# KiCad board ADHW.kicad_pcb (continued)
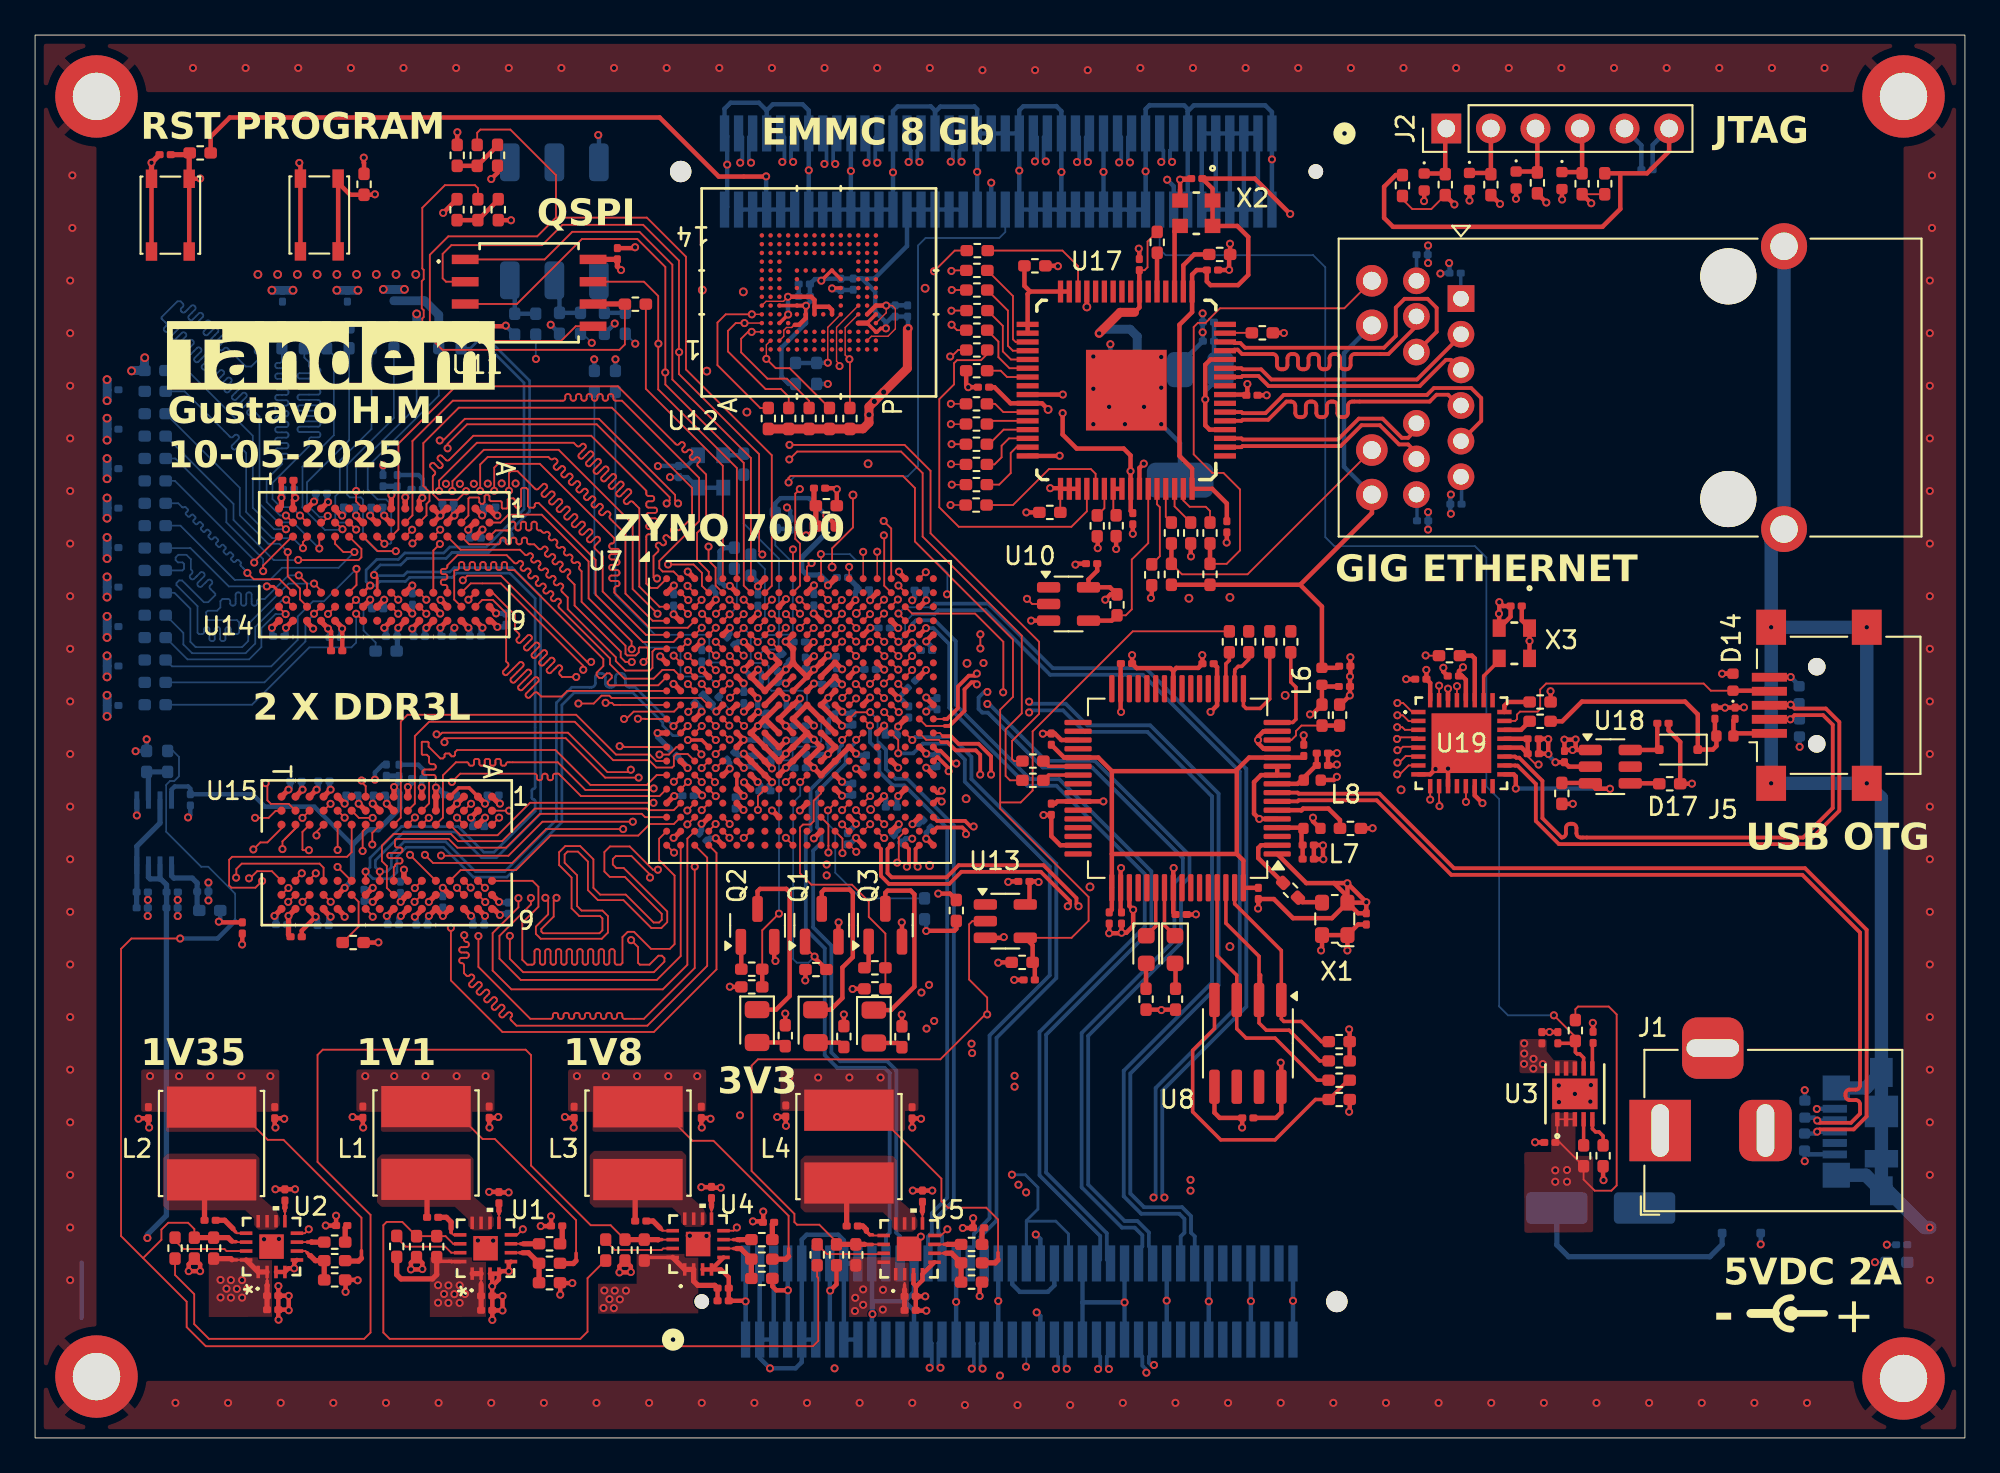
[diagram p0: board, top side]
## Routing (per net, layer and track width the routed paths; a pad name or vN(x,y) marks a point on that pad's centre or on a via; arc(x,y) is an arc through that point) (continued)
(no net):
  vias: v1(55,3.56)
/1GB DDR3 Module/DDR_ZQ1: length 3.9
  Top w0.102: U14.L8 v1(18.29,47.79)
  Bottom w0.102: R123.1 19.41,45.36 18.72,46.05 18.72,47.36 v1(18.29,47.79)
/1GB DDR3 Module/DDR_ZQ2: length 3.3
  Top w0.102: U15.L8 18.44,30.58 18.44,29.16 17.53,28.25 R124.1
/Gigabit Ethernet/ETH_DP1_N: length 12.4
  Top w0.216: U17.3 68.76,57 68.82,56.94 74.26,56.94 75.45,58.13 76.81,58.13 77.9,57.03 78.26,57.03 78.74,57.5 J4.10
/Gigabit Ethernet/ETH_DP1_P: length 12.4
  Top w0.216: U17.2 68.76,56.5 68.82,56.56 74.42,56.56 75.61,57.75 76.65,57.75 77.75,56.66 78.26,56.66 78.74,56.18 J4.11
/Gigabit Ethernet/ETH_DP2_N: length 18.4
  Top w0.216: U17.6 68.76,58.5 68.82,58.44 70.13,58.44 71.17,59.48 79.34,59.48 79.73,59.87 81.86,59.87 82.43,59.3 82.43,58 J4.5
/Gigabit Ethernet/ETH_DP2_P: length 18.4
  Top w0.216: J4.4 81.16,58.87 80.54,59.49 79.88,59.49 79.49,59.1 75.07,59.1 arc(74.9,59.03) 74.83,58.86 74.83,58.45 arc(74.76,58.28) 74.59,58.21 74.47,58.21 arc(74.3,58.28) 74.23,58.45 74.23,58.86 arc(74.16,59.03) 73.99,59.1 73.87,59.1 arc(73.7,59.03) 73.63,58.86 73.63,58.45 arc(73.56,58.28) 73.39,58.21 73.27,58.21 arc(73.1,58.28) 73.03,58.45 73.03,58.86 arc(72.96,59.03) 72.79,59.1 72.67,59.1 arc(72.5,59.03) 72.43,58.86 72.43,58.45 arc(72.36,58.28) 72.19,58.21 72.07,58.21 arc(71.9,58.28) 71.83,58.45 71.83,58.86 arc(71.76,59.03) 71.59,59.1 71.33,59.1 70.29,58.06 68.82,58.06 68.76,58 U17.5
/Gigabit Ethernet/ETH_DP3_N: length 14.8
  Top w0.216: J4.2 81.28,62.87 78.77,60.36 70.47,60.36 69.89,60.94 68.82,60.94 68.76,61 U17.11
/Gigabit Ethernet/ETH_DP3_P: length 14.6
  Top w0.216: U17.10 68.76,60.5 68.82,60.56 69.73,60.56 70.31,59.98 78.92,59.98 80.42,61.48 80.7,61.48 J4.3
/Gigabit Ethernet/ETH_DP4_N: length 17.5
  Top w0.216: U17.14 68.3,62.5 68.36,62.44 68.7,62.44 68.97,62.17 76.89,62.17 77.56,62.84 77.56,64.46 78.06,64.96 79.37,64.96 79.89,64.44 79.89,63.08 J4.9
/Gigabit Ethernet/ETH_DP4_P: length 17.6
  Top w0.216: U17.13 68.3,62 68.36,62.06 68.54,62.06 68.79,61.81 70.54,61.81 arc(70.71,61.74) 70.78,61.57 70.78,61.18 arc(70.85,61.01) 71.02,60.94 71.14,60.94 arc(71.31,61.01) 71.38,61.18 71.38,61.57 arc(71.45,61.74) 71.62,61.81 71.74,61.81 arc(71.91,61.74) 71.98,61.57 71.98,61.18 arc(72.05,61.01) 72.22,60.94 72.34,60.94 arc(72.51,61.01) 72.58,61.18 72.58,61.57 arc(72.65,61.74) 72.82,61.81 72.94,61.81 arc(73.11,61.74) 73.18,61.57 73.18,61.18 arc(73.25,61.01) 73.42,60.94 73.54,60.94 arc(73.71,61.01) 73.78,61.18 73.78,61.57 arc(73.85,61.74) 74.02,61.81 74.14,61.81 arc(74.31,61.74) 74.38,61.57 74.38,61.18 arc(74.45,61.01) 74.62,60.94 74.74,60.94 arc(74.91,61.01) 74.98,61.18 74.98,61.57 arc(75.05,61.74) 75.22,61.81 77.14,61.81 78.74,63.4 J4.8
/Gigabit Ethernet/ETH_MDIO: length 2.2
  Top w0.254: U17.21 63.95,67.57 R149.1
/Gigabit Ethernet/ETH_PHY_RX_CLK: length 2.5
  Top w0.102: R138.2 54.72,58.97 55.19,58.5 U17.43
/Gigabit Ethernet/ETH_PHY_RX_CTRL: length 8
  Top w0.102: R137.2 55.74,53.2 57.79,55.25 60.18,55.25 60.45,54.98 U17.53
/Gigabit Ethernet/ETH_PHY_RX_D0: length 2.4
  Top w0.102: U17.44 54.44,58 R139.2
/Gigabit Ethernet/ETH_PHY_RX_D1: length 2.7
  Top w0.102: U17.45 55.21,57.5 54.38,56.67 R140.2
/Gigabit Ethernet/ETH_PHY_RX_D2: length 3.3
  Top w0.102: U17.46 55.51,57 55.09,56.58 55.09,55.92 54.69,55.52 R141.2
/Gigabit Ethernet/ETH_PHY_RX_D3: length 3.9
  Top w0.102: U17.47 55.94,56.5 55.61,56.17 55.61,55.02 54.95,54.36 R142.2
/Gigabit Ethernet/GREEN_LED_0: length 15.8
  Top w0.102: R156.1 64.77,49.85 65.37,49.25 69.11,49.25 J4.15
  Top w0.254: R156.1 R154.2
/Gigabit Ethernet/GREEN_LED_1: length 28.6
  Top w0.102: J4.13 74.63,64.42 67.54,64.42 66.92,63.8 66.92,63.79 66.72,63.59 66.28,63.59 66.04,63.35 66.04,56.09 67.1,55.03 67.74,55.03 68.68,54.09 68.68,50.61 67.92,49.85 R155.1
  Top w0.254: R155.1 R152.2
/Gigabit Ethernet/LINK_LED: length 3.1
  Top w0.102: U17.63 65.45,53.46 65.81,53.1 66.73,53.1 66.97,52.86 R152.1
/Gigabit Ethernet/PHY_OFF_LOW: length 4.6
  Top w0.102: R166.1 63.65,49.82 64.11,50.28 64.11,53.08 63.95,53.24 U17.60
/Gigabit Ethernet/RX/TX_LED: length 2.1
  Top w0.102: U17.61 64.45,52.52 R154.1
/USB 2.0 OTG/USB_HS_DP_N: length 33
  Top w0.216: U19.19 84.36,38.86 84.43,38.79 84.6,38.79 85.92,37.47 85.92,35.34 87.02,34.24 arc(87.19,34.31) 87.26,34.48 87.26,34.78 arc(87.33,34.95) 87.5,35.02 87.62,35.02 arc(87.79,34.95) 87.86,34.78 87.86,34.48 arc(87.93,34.31) 88.1,34.24 100.78,34.24 102.47,35.92 102.47,40.67 101.92,41.22 100.29,41.22 v1(100.05,40.98)
  Top w0.254: v1(100.05,40.98) J5.2
  Bottom w0.254: 100.52,41.02 100.53,41.02 D16.1 100.06,40.97 v1(100.05,40.98)
/USB 2.0 OTG/USB_HS_DP_P: length 33.5
  Top w0.216: v1(100.07,41.81) 100.29,41.59 102.07,41.59 102.84,40.82 102.84,35.77 100.94,33.86 86.86,33.86 85.54,35.18 85.54,37.3 84.5,38.34 84.37,38.34 84.36,38.35 U19.18
  Top w0.254: J5.3 100.04,41.78 v1(100.07,41.81)
  Bottom w0.254: 100.52,42.05 100.29,41.81 v1(100.07,41.81) 100.15,41.89 D15.1
/USB 2.0 OTG/USB_PHY_RBIAS: length 1.9
  Top w0.254: U19.24 83.75,41.75 83.97,41.97 R159.1
/USB 2.0 OTG/USB_PHY_VBUS: length 1.6
  Top w0.254: R157.1 84.7,40.38 U19.22
/Zynq Boot mode and JTAG/NINIT: length 14.4
  Top w0.102: U7.R10 43.19,37.8 v1(42.79,37.4)
  Top w0.254: R32.1 52.14,31.04 v1(51.48,31.04)
  In5.Cu w0.102: 42.89,37.4 v1(42.79,37.4)
  In7.Cu w0.102: v1(42.79,37.4) 46.36,33.83 47.15,33.83 47.49,33.49 47.49,31.44 47.89,31.04 v1(51.48,31.04)
/Zynq Boot mode and JTAG/NPROGRAM: length 63.7
  Top w0.102: v1(40.41,40.6) 40.4,40.6 U7.L6
  Top w0.254: SW1.1 SW1.1 17.28,71.57 17.96,70.89 R33.1 19.34,70.89 v1(19.37,70.92)
  In5.Cu w0.102: 15.91,70.91 34.41,70.91 36.05,69.27 36.05,65.23 44.26,57.02 44.26,52.69 42.79,51.22 42.79,49.38 40.78,47.37 40.78,44.35 40.64,44.21 40.08,44.21 40.01,44.14 40.01,43.59 39.82,43.4 39.37,43.4 39.19,43.22 39.19,41.99 39.36,41.82 39.72,41.82 40.04,41.5 40.04,40.97 v1(40.41,40.6)
/Zynq Boot mode and JTAG/TCK: length 106.3
  Top w0.102: U7.F9 42.36,45 v1(41.97,45.39)
  Top w0.254: v1(86.14,70.45) 85.63,70.96 R36.2
  In7.Cu w0.102: v1(41.97,45.39) 41.57,44.99 40.89,44.99 40.79,45.09 40.79,45.61 40.63,45.77 39.8,45.77 39.02,44.99 38.48,44.99 38.4,44.91 38.4,42.74 38.53,42.61 40.01,42.61 40.83,41.79 41.6,41.79 42.38,41.01 51.25,41.01 51.55,40.71 51.55,37.47 51.7,37.32 52.07,37.32 52.22,37.17 52.22,35.97 52.43,35.76 54.01,35.76 56.21,33.56 72.44,33.56 72.53,33.47 72.53,32.54 73.02,32.05 73.83,32.05 74.34,32.56 74.34,33.49 74.46,33.61 87.63,33.61 89.51,35.49 89.51,36.37 89.69,36.55 90.05,36.55 90.31,36.81 90.31,37.31 90,37.62 89.73,37.62 89.5,37.85 89.5,67.12 89.43,67.19 89.4,67.19 v1(86.14,70.45)
/Zynq Boot mode and JTAG/TDI: length 98.9
  Top w0.102: R28.1 77.94,70.64 78.5,70.08 79.59,70.08 R34.2 ; v1(39.6,44.59) 39.99,44.2 U7.G6
  Top w0.254: v1(80.9,70.34) 80.38,70.86 R34.2
  In7.Cu w0.102: v1(39.6,44.59) 39.97,44.22 40.63,44.22 40.83,44.02 40.83,43.62 41.05,43.4 43.2,43.4 43.99,42.61 51.45,42.61 52.42,41.64 52.42,39.87 53.4,38.89 54.87,38.89 56.26,37.5 56.26,34.84 56.69,34.41 87.22,34.41 88.71,35.9 88.71,62.23 80.9,70.04 v1(80.9,70.34)
/Zynq Boot mode and JTAG/TDO: length 100.7
  Top w0.102: v1(40.39,44.61) U7.F6
  Top w0.254: v1(83.5,70.37) 83,70.87 R35.2
  In7.Cu w0.102: v1(83.5,70.37) 89.1,64.77 89.1,35.66 87.44,34 74.11,34 73.95,33.84 73.95,32.7 73.72,32.47 73.17,32.47 72.94,32.7 72.94,33.76 72.74,33.96 56.44,33.96 55.85,34.55 55.85,37.28 54.68,38.45 53.22,38.45 52.01,39.66 52.01,41.43 51.63,41.81 42.22,41.81 40.64,43.39 39.38,43.39 39.2,43.57 39.2,44.8 39.41,45.01 39.99,45.01 v1(40.39,44.61)
/Zynq Boot mode and JTAG/TMS: length 97.7
  Top w0.102: R30.1 88.18,70.92 R37.2 ; U7.J6 v1(39.61,42.21)
  Top w0.254: v1(88.7,70.41) 88.19,70.92 R37.2
  In7.Cu w0.102: v1(88.7,70.41) 89.92,69.19 89.92,38.44 90.7,37.66 90.7,36.59 89.91,35.8 89.91,35.31 87.78,33.18 74.86,33.18 74.8,33.12 74.8,32.4 74.06,31.66 72.78,31.66 72.1,32.34 72.1,32.91 71.87,33.14 56.06,33.14 53.8,35.4 51.23,35.4 49.26,37.37 47.6,37.37 47.43,37.54 47.43,40.08 47.3,40.21 42.41,40.21 41.62,41 40.1,41 40.02,41.08 40.02,41.8 v1(39.61,42.21)
/Zynq DDR and termination/DDR_VRN: length 21.2
  Top w0.102: v1(39.59,43.79) 39.2,44.18 U7.G5
  Bottom w0.102: v1(39.59,43.79) 39.16,44.22 38.6,44.22 38.43,44.39 38.43,45.62 38.25,45.8 35.34,45.8 33.08,48.06 R121.2
/Zynq DDR and termination/DDR_VRP: length 21.9
  Top w0.102: U7.H5 39.2,43.38 v1(38.81,42.99)
  Bottom w0.102: R122.2 31.88,48.17 34.98,45.07 36.58,45.07 36.79,44.86 36.79,43.58 36.95,43.42 38.38,43.42 v1(38.81,42.99)
/Zynq JTAG progammer and USB to UART/FTDI_NPOR: length 2.2
  Top w0.2: U9.19 67.88,44.14 68.07,44.34 R62.2
/Zynq JTAG progammer and USB to UART/FTDI_RX: length 2.1
  Top w0.2: R64.2 57.77,37.8 U9.39
/Zynq JTAG progammer and USB to UART/FTDI_RX_K: length 3
  Top w0.2: U9.54 63.88,29.18 D10.1
/Zynq JTAG progammer and USB to UART/FTDI_TCK: length 5.1
  Top w0.2: R59.2 71.57,43.1 71.87,42.81 71.87,40.98 71.69,40.8 U9.16
/Zynq JTAG progammer and USB to UART/FTDI_TDI: length 5.4
  Top w0.2: R60.2 70.38,42.14 69.83,41.6 69.03,41.6 68.88,41.75 U9.17
/Zynq JTAG progammer and USB to UART/FTDI_TDO: length 2.5
  Top w0.2: R61.2 69.18,44.39 68.78,44 68.58,44 68.38,43.8 68.38,43.7 68.38,43.69 U9.18
/Zynq JTAG progammer and USB to UART/FTDI_TX: length 2.1
  Top w0.2: R63.2 57.77,38.3 U9.38
/Zynq JTAG progammer and USB to UART/FTDI_TX_K: length 3
  Top w0.2: D11.1 64.38,29.24 U9.55
/Zynq JTAG progammer and USB to UART/FTDI_VPHY: length 3.2
  Top w0.254: U9.4 72.15,34.8 72.19,34.76 72.19,33.87 C94.1 C97.1
/Zynq JTAG progammer and USB to UART/FTDI_VPLL: length 3.4
  Top w0.254: C98.1 C95.1 73.01,38.35 71.97,37.3 U9.9
/Zynq JTAG progammer and USB to UART/USB_D_N: length 52.4
  Top w0.216: U9.7 71.96,36.3 72.02,36.36 76.47,36.36 80.72,32.11 100.73,32.11 104.02,28.82 104.02,20.11 arc(103.95,19.94) 103.78,19.87 103.43,19.87 arc(103.26,19.8) 103.19,19.63 103.19,19.51 arc(103.26,19.34) 103.43,19.27 103.78,19.27 arc(103.95,19.2) 104.02,19.03 104.02,18.49 103.5,17.97 101.71,17.97 v1(101.58,18.1)
  Bottom w0.254: D7.1 101.41,18.26 v1(101.58,18.1) 102.56,18.1 J3.2
/Zynq JTAG progammer and USB to UART/USB_D_P: length 52.4
  Top w0.216: U9.8 71.96,36.8 72.02,36.74 76.63,36.74 80.88,32.49 100.89,32.49 104.4,28.98 104.4,18.33 103.66,17.59 101.71,17.59 v1(101.58,17.46)
  Bottom w0.254: D8.1 101.47,17.36 v1(101.58,17.46) 102.57,17.46 J3.3
/Zynq JTAG progammer and USB to UART/USB_UART_NRST: length 4
  Top w0.102: U9.14 71.61,39.8 71.87,40.06 71.87,40.31 72.18,40.62 R50.1
  Top w0.254: R50.1 R51.2
/Zynq Processing System/CLK_33M333: length 1.2
  Bottom w0.254: Y1.3 40.3,56.04 R88.2
/Zynq Processing System/ETH_MDC: length 0.6
  Top w0.102: v1(43.6,47) U7.C10
/Zynq Processing System/ETH_MDIO: length 0.6
  Top w0.102: v1(43.57,47.8) 43.6,47.8 U7.C11
/Zynq Processing System/ETH_NINT: length 0.5
  Top w0.102: U7.E12 v1(45.18,46.18)
/Zynq Processing System/ETH_NRST: length 9.8
  Top w0.102: v1(49.18,47.81) 48.8,47.43 U7.C17 ; U10.2 56.83,47.56 v1(56.54,47.85)
  In3.Cu w0.102: v1(49.18,47.81) 49.66,48.29 50.93,48.29 51.59,47.63 56.32,47.63 v1(56.54,47.85)
/Zynq Processing System/MIO44: length 0.6
  Top w0.102: v1(46,45.41) 45.6,45.01 U7.F13
/Zynq Processing System/MIO46: length 0.6
  Top w0.102: U7.D16 48,46.62 v1(48.39,47.01)
/Zynq Processing System/MIO48: length 0.6
  Top w0.102: U7.B12 44.8,48.19 v1(45.2,47.79)
/Zynq Processing System/MIO49: length 0.6
  Top w0.102: v1(45.21,47) 44.81,47.4 U7.C12
/Zynq Processing System/MIO_VREF_0V9: length 12.8
  Top w0.102: R75.1 43.97,51.47 v1(43.95,51.47) ; v1(44.38,46.19) 44,45.81 U7.E11
  Top w0.3: C107.1 44.39,53.27 R76.2 R75.1
  In3.Cu w0.102: 43.89,51.41 v1(43.95,51.47) 44.84,51.47 45.28,51.03 45.28,50.21 44.81,49.74 44.81,49.18 44.69,49.06 44.14,49.06 43.19,48.11 43.19,45.95 43.35,45.79 43.98,45.79 v1(44.38,46.19)
/Zynq Processing System/PS_CLK_33M333: length 11.8
  Top w0.102: U7.E7 40.81,45.8 41.19,45.42 v1(41.19,45.39)
  Bottom w0.102: R88.1 40.39,52.15 42.4,50.14 42.4,46.02 42.17,45.79 41.59,45.79 v1(41.19,45.39)
/Zynq Processing System/PS_LED: length 26.7
  Top w0.102: R74.1 41.45,28.95 v1(42.4,29.9) ; U7.E6 v1(40.39,46.19)
  Top w0.254: R73.1 R74.1
  Bottom w0.102: v1(42.4,29.9) 42.4,38.5 42.54,38.64 43.05,38.64 43.18,38.77 43.18,39.31 43.29,39.42 44.5,39.42 44.81,39.73 44.81,40.95 44,41.76 44,42.39 43.78,42.61 41.97,42.61 41.81,42.77 41.81,44.01 41.63,44.19 40.94,44.19 40.79,44.34 40.79,45.79 v1(40.39,46.19)
/Zynq Processing System/QSPI_CLK: length 17.5
  Top w0.102: R86.1 34.81,59.83 39.2,55.44 U7.A5
/Zynq Processing System/QSPI_NCS: length 33
  Top w0.102: U7.A7 40.8,55.88 36.33,60.36 36.33,66.9 34.45,68.78 30.62,68.78 29.05,67.2 U11.1
/Zynq Processing System/SD_CLK: length 29.6
  Top w0.076: U12.M6 45.68,63.33 45.68,61.4 45.86,61.22 v1(45.86,61.12)
  Top w0.102: U7.D9 42.39,46.6 v1(41.99,47)
  In7.Cu w0.102: v1(41.99,47) 42.43,47.44 42.43,57.5 arc(42.47,57.59) 42.55,57.63 42.65,57.63 arc(42.73,57.66) 42.77,57.75 42.77,57.81 arc(42.73,57.89) 42.65,57.93 42.21,57.93 arc(42.13,57.97) 42.09,58.05 42.09,58.11 arc(42.13,58.2) 42.21,58.24 42.65,58.24 arc(42.73,58.27) 42.77,58.36 42.77,58.42 arc(42.73,58.5) 42.65,58.54 42.21,58.54 arc(42.13,58.58) 42.09,58.66 42.09,58.72 arc(42.13,58.81) 42.21,58.85 42.65,58.85 arc(42.73,58.88) 42.77,58.97 42.77,59.03 arc(42.73,59.11) 42.65,59.15 42.21,59.15 arc(42.13,59.19) 42.09,59.27 42.09,59.33 arc(42.13,59.42) 42.21,59.45 42.65,59.45 arc(42.73,59.49) 42.77,59.58 42.77,59.64 arc(42.73,59.72) 42.65,59.76 42.21,59.76 arc(42.13,59.8) 42.09,59.88 42.09,59.94 arc(42.13,60.03) 42.21,60.06 42.31,60.06 arc(42.39,60.1) 42.43,60.19 42.43,60.56 42.65,60.78 42.95,60.78 arc(43.03,60.74) 43.07,60.66 43.07,60.53 arc(43.11,60.44) 43.19,60.4 43.25,60.4 arc(43.34,60.44) 43.37,60.53 43.37,61.03 arc(43.41,61.12) 43.5,61.15 43.56,61.15 arc(43.64,61.12) 43.68,61.03 43.68,60.53 arc(43.71,60.44) 43.8,60.4 43.86,60.4 arc(43.95,60.44) 43.98,60.53 43.98,61.03 arc(44.02,61.12) 44.11,61.15 44.17,61.15 arc(44.25,61.12) 44.29,61.03 44.29,60.53 arc(44.32,60.44) 44.41,60.4 44.47,60.4 arc(44.56,60.44) 44.59,60.53 44.59,60.66 arc(44.63,60.74) 44.72,60.78 45.51,60.78 v1(45.86,61.12)
/Zynq Processing System/SD_CMD: length 29.7
  Top w0.076: v1(46.42,61.51) 46.17,61.75 46.17,63.32 U12.M5
  Top w0.102: v1(39.58,47.8) 39.62,47.8 40,47.42 U7.C6 ; R84.1 46.44,61.48 v1(46.42,61.51)
  In7.Cu w0.102: v1(39.58,47.8) 39.99,47.39 39.99,46.81 40.21,46.59 40.51,46.59 40.79,46.31 40.79,46.1 41.06,45.82 42.96,45.82 43.18,46.04 43.18,48.11 42.8,48.49 42.8,51.91 46.4,55.51 46.4,59.37 arc(46.36,59.46) 46.28,59.49 46.15,59.49 arc(46.06,59.53) 46.03,59.62 46.03,59.68 arc(46.06,59.76) 46.15,59.8 46.65,59.8 arc(46.74,59.83) 46.78,59.92 46.78,59.98 arc(46.74,60.07) 46.65,60.1 46.52,60.1 arc(46.44,60.14) 46.4,60.22 46.4,61.5 v1(46.42,61.51)
/Zynq Processing System/SD_D0: length 29.7
  Top w0.076: v1(40.84,63.07) U12.A3
  Top w0.102: v1(42.79,46.2) 42.4,45.81 U7.E9 ; v1(40.84,63.07) 40.64,63.07 40.25,62.68 40.25,61.9 41.75,60.4 42.86,60.4 44.12,59.14 R77.1
  In7.Cu w0.102: v1(40.84,63.07) 40.08,63.07 39.83,62.83 39.83,50.74 40.08,50.5 arc(40.11,50.41) 40.08,50.33 40,50.25 arc(39.96,50.17) 40,50.08 40.04,50.04 arc(40.13,50) 40.22,50.04 40.54,50.36 arc(40.62,50.39) 40.71,50.36 40.75,50.32 arc(40.79,50.23) 40.75,50.14 40.43,49.82 arc(40.4,49.73) 40.43,49.65 40.47,49.61 arc(40.56,49.57) 40.65,49.61 40.97,49.93 arc(41.06,49.96) 41.14,49.93 41.19,49.88 arc(41.22,49.8) 41.19,49.71 41.11,49.64 arc(41.07,49.55) 41.11,49.46 41.6,48.97 41.6,46.81 41.83,46.58 42.41,46.58 v1(42.79,46.2)
/Zynq Processing System/SD_D1: length 29.6
  Top w0.076: v1(40.44,63.57) U12.A4
  Top w0.102: v1(41.97,46.18) 41.6,45.81 U7.E8 ; R79.1 42.96,59.37 42.52,59.81 41.64,59.81 39.5,61.95 39.5,63.13 39.94,63.57 v1(40.44,63.57)
  In7.Cu w0.102: v1(41.97,46.18) 41.82,46.18 41.37,46.63 40.98,46.63 40.77,46.84 40.77,48.23 38.86,50.14 38.86,51.25 arc(38.87,51.28) 38.91,51.3 arc(38.95,51.31) 38.96,51.35 38.96,51.55 arc(38.95,51.59) 38.91,51.6 38.81,51.6 arc(38.77,51.62) 38.76,51.65 38.76,51.86 arc(38.77,51.89) 38.81,51.91 arc(38.85,51.92) 38.86,51.96 38.86,52.3 39.21,52.65 39.21,53.48 38.86,53.83 38.86,62.6 39.83,63.57 v1(40.44,63.57)
/Zynq Processing System/SD_D2: length 29.8
  Top w0.076: v1(40.86,64.07) U12.A5
  Top w0.102: v1(38.81,47) 39.2,47.39 U7.C5 ; v1(40.86,64.07) 39.36,64.07 38.89,63.6 38.89,61.17 41.34,58.73 R81.1
  In7.Cu w0.102: v1(40.86,64.07) 39.55,64.07 37.46,61.99 37.46,49.86 39.2,48.12 39.2,47.39 v1(38.81,47)
/Zynq Processing System/SD_D3: length 29.4
  Top w0.076: v1(41.68,61.53) 41.68,62.33 U12.B2
  Top w0.102: v1(42,47.8) U7.C8 ; R82.1 43.01,61 42.21,61 v1(41.68,61.53)
  In7.Cu w0.102: v1(41.68,61.53) 41.69,61.53 41.33,61.18 41.33,56.71 arc(41.29,56.63) 41.21,56.59 41.12,56.59 arc(41.04,56.56) 41,56.47 41,56.41 arc(41.04,56.32) 41.12,56.29 41.54,56.29 arc(41.62,56.25) 41.66,56.16 41.66,56.1 arc(41.62,56.02) 41.54,55.98 41.12,55.98 arc(41.04,55.95) 41,55.86 41,55.8 arc(41.04,55.71) 41.12,55.68 41.54,55.68 arc(41.62,55.64) 41.66,55.55 41.66,55.49 arc(41.62,55.41) 41.54,55.37 41.12,55.37 arc(41.04,55.34) 41,55.25 41,55.19 arc(41.04,55.1) 41.12,55.07 41.54,55.07 arc(41.62,55.03) 41.66,54.94 41.66,54.88 arc(41.62,54.8) 41.54,54.76 41.12,54.76 arc(41.04,54.73) 41,54.64 41,54.58 arc(41.04,54.49) 41.12,54.46 41.54,54.46 arc(41.62,54.42) 41.66,54.34 41.66,54.27 arc(41.62,54.19) 41.54,54.15 41.12,54.15 arc(41.04,54.12) 41,54.03 41,53.97 arc(41.04,53.88) 41.12,53.85 41.54,53.85 arc(41.62,53.81) 41.66,53.73 41.66,53.66 arc(41.62,53.58) 41.54,53.54 41.12,53.54 arc(41.04,53.51) 41,53.42 41,53.36 arc(41.04,53.27) 41.12,53.24 41.54,53.24 arc(41.62,53.2) 41.66,53.12 41.66,53.06 arc(41.62,52.97) 41.54,52.93 41.12,52.93 arc(41.04,52.9) 41,52.81 41,52.75 arc(41.04,52.66) 41.12,52.63 41.54,52.63 arc(41.62,52.59) 41.66,52.51 41.66,52.45 arc(41.62,52.36) 41.54,52.32 41.12,52.32 arc(41.04,52.29) 41,52.2 41,52.14 arc(41.04,52.05) 41.12,52.02 41.54,52.02 arc(41.62,51.98) 41.66,51.9 41.66,51.84 arc(41.62,51.75) 41.54,51.71 41.45,51.71 arc(41.37,51.68) 41.33,51.59 41.33,51.24 42,50.57 v1(42,47.8)
/Zynq Processing System/VCFG0: length 5.3
  Top w0.102: v1(41.2,46.19) 41.6,46.59 U7.D8
  Bottom w0.102: R78.1 40.8,50.35 41.6,49.55 41.6,46.59 v1(41.2,46.19)
/Zynq Programmable Logic/LED_PL: length 15.5
  Top w0.102: 43.6,34.62 43.61,34.61 ; 43.6,34.62 43.6,32.2 44.25,31.55 46.56,31.55 47.52,30.59 47.52,29.71 48.47,28.76 R93.1 R92.1 ; 43.6,34.62 43.6,34.81 43.77,34.98 44.19,34.98 44.38,35.17 44.38,36.34 44.8,36.76 U7.T12
/Zynq Programmable Logic/NPUDC: length 10
  Top w0.102: U7.U13 v1(45.19,35.79)
  Bottom w0.102: v1(45.19,35.79) 45.19,35.01 45.61,34.59 45.61,32.23 47.07,30.77 R91.1
/Zynq Programmable Logic/PL_B35_IO25: length 0.6
  Top w0.102: 47.2,42.61 46.82,42.99 v1(46.78,42.99)
  Top w0.3: U7.J15 47.2,42.61
/Zynq Programmable Logic/PL_CLK_125MHZ: length 0.6
  Top w0.102: U7.K17 48.82,41.8 v1(49.23,41.39)
/Zynq PWR/PG_1V1: length 27.6
  Top w0.102: U1.14 23.83,11.07 23.4,11.51 R7.2 R162.1 20.93,12.32 20.04,12.32 19.85,12.13 19.85,6.01 20.21,5.65 31.08,5.65 31.49,6.06 31.49,9.11 32.49,10.11 R15.1
/Zynq PWR/PG_1V8: length 60.4
  Top w0.102: R163.1 32.8,12.13 31.67,12.13 28.27,15.53 28.27,21.83 27.96,22.14 16.4,22.14 16.1,21.84 16.1,15.74 19.12,12.72 19.12,6.01 18.76,5.65 9.91,5.65 9.07,6.49 9.07,8.2 7.98,9.29 R3.1 ; 35.72,11.31 35.73,11.31 36.34,11.31
  Top w0.2: 35.72,11.31 35.53,11.31 35.52,11.3
  Top w0.3: R163.1 R22.2 35.51,11.31 35.52,11.3
/Zynq PWR/PG_1V35: length 91.4
  Top w0.102: R16.1 44.58,9.19 44.64,9.13 44.64,5.53 44.34,5.23 9.73,5.23 8.64,6.32 8.64,7.77 4.9,11.51 4.9,27.89 5.49,28.48 v1(8.27,28.48) ; 11.46,11.19 11.48,11.17 U2.14 ; 6.16,10.25 7.2,11.3 7.2,11.88 7.59,12.27 8.72,12.27 9.08,11.91 R165.1
  Top w0.2: 11.2,11.23 11.24,11.19 11.46,11.19
  Top w0.3: 11.2,11.23 11.01,11.42 R8.2 R165.1
  Bottom w0.102: 11.4,29.48 11.4,31.04 9.87,32.57 9.47,32.57 7.47,34.57 7.47,37.24 7.69,37.46 7.93,37.46 8.2,37.73 8.2,38.84 7.86,39.18 R19.2
  Bottom w0.254: v1(8.27,28.48) 10.4,28.48 11.4,29.48
DDR_A0: length 106.7
  Top w0.1: v1(16.04,34.36) 16.04,34.56 U15.N3
  Top w0.102: U7.N2 36.56,39.4 36.13,38.97 v1(35.59,38.97) ; U14.N3 16.2,51.3 v1(16.2,50.72)
  In5.Cu w0.1: v1(35.59,38.97) 35.7,38.86 35.7,37.57 35.61,37.48 35.44,37.48 35.35,37.57 35.35,37.92 34.81,38.46 34.81,38.56 34.91,38.66 35.11,38.66 35.24,38.79 35.24,38.85 35.08,39.01 34.67,39.01 34.37,38.71 34.37,38.45 34.94,37.88 34.94,37.54 34.69,37.29 34.69,36.97 34.84,36.82 34.84,36.67 34.41,36.24 34.41,36.09 34.51,35.99 34.79,35.99 35,35.78 35,35.59 34.69,35.28 34.5,35.28 34.42,35.36 34.42,35.55 34.31,35.66 34.13,35.66 34.05,35.74 34.05,37.14 33.98,37.21 33.72,37.21 33.65,37.14 33.65,35.51 30.74,32.6 25.88,32.6 25.69,32.79 21.07,32.79 19.58,34.28 16.14,34.28 16.04,34.38 v1(16.04,34.36)
  In7.Cu w0.1: v1(16.2,50.72) 16.2,50.7 17.13,49.77 17.13,44.95 16.55,44.37 16.33,44.37 16.25,44.45 16.25,45.54 16.2,45.59 15.91,45.59 15.86,45.54 15.86,43.15 12.66,39.95 12.66,37.06 13.89,35.83 14.2,35.83 15.06,34.97 15.43,34.97 v1(16.04,34.36)
  Bottom w0.1: R106.2 12.79,61.57 12.32,61.1 12.01,61.1 10.97,62.14 arc(10.88,62.18) 10.8,62.14 10.7,62.05 arc(10.62,62.01) 10.53,62.05 10.49,62.09 arc(10.45,62.18) 10.49,62.26 10.85,62.62 arc(10.88,62.71) 10.85,62.8 10.8,62.84 arc(10.72,62.87) 10.63,62.84 10.27,62.48 arc(10.19,62.44) 10.1,62.48 10.06,62.52 arc(10.02,62.61) 10.06,62.7 10.41,63.05 arc(10.45,63.14) 10.41,63.23 10.37,63.27 arc(10.28,63.3) 10.2,63.27 9.84,62.91 arc(9.75,62.88) 9.67,62.91 9.63,62.95 arc(9.59,63.04) 9.63,63.13 9.98,63.48 arc(10.02,63.57) 9.98,63.66 9.94,63.7 arc(9.85,63.74) 9.77,63.7 9.41,63.34 arc(9.32,63.31) 9.24,63.34 9.19,63.39 arc(9.16,63.47) 9.19,63.56 9.55,63.92 arc(9.59,64) 9.55,64.09 9.51,64.13 arc(9.42,64.17) 9.34,64.13 8.98,63.77 arc(8.89,63.74) 8.81,63.77 8.76,63.82 arc(8.73,63.9) 8.76,63.99 9.12,64.35 arc(9.16,64.43) 9.12,64.52 9.08,64.56 arc(8.99,64.6) 8.91,64.56 8.55,64.2 arc(8.46,64.17) 8.38,64.2 8.33,64.25 arc(8.3,64.33) 8.33,64.42 8.42,64.51 arc(8.46,64.6) 8.42,64.69 8.29,64.82 8.12,64.82 7.21,63.91 7.21,63.83 7.46,63.58 arc(7.5,63.49) 7.46,63.41 7.37,63.31 arc(7.33,63.23) 7.37,63.14 7.41,63.1 arc(7.5,63.06) 7.58,63.1 7.94,63.46 arc(8.03,63.49) 8.11,63.46 8.16,63.41 arc(8.19,63.33) 8.16,63.24 7.8,62.88 arc(7.76,62.8) 7.8,62.71 7.84,62.67 arc(7.93,62.63) 8.02,62.67 8.37,63.02 arc(8.46,63.06) 8.55,63.02 8.59,62.98 arc(8.62,62.9) 8.59,62.81 8.23,62.45 arc(8.2,62.36) 8.23,62.28 8.27,62.24 arc(8.36,62.2) 8.45,62.24 8.8,62.59 arc(8.89,62.63) 8.98,62.59 9.02,62.55 arc(9.06,62.46) 9.02,62.38 8.66,62.02 arc(8.63,61.93) 8.66,61.85 8.71,61.8 arc(8.79,61.77) 8.88,61.8 9.24,62.16 arc(9.32,62.2) 9.41,62.16 9.45,62.12 arc(9.49,62.03) 9.45,61.95 9.09,61.59 arc(9.06,61.5) 9.09,61.42 9.14,61.37 arc(9.22,61.34) 9.31,61.37 9.67,61.73 arc(9.75,61.77) 9.84,61.73 9.88,61.69 arc(9.92,61.6) 9.88,61.52 9.52,61.16 arc(9.49,61.07) 9.52,60.99 9.57,60.94 arc(9.65,60.91) 9.74,60.94 10.1,61.3 arc(10.18,61.34) 10.27,61.3 10.31,61.26 arc(10.35,61.17) 10.31,61.08 9.96,60.73 arc(9.92,60.64) 9.96,60.55 10,60.51 arc(10.08,60.48) 10.17,60.51 10.53,60.87 arc(10.61,60.9) 10.7,60.87 10.74,60.83 arc(10.78,60.74) 10.74,60.65 10.39,60.3 arc(10.35,60.21) 10.39,60.12 10.43,60.08 arc(10.52,60.04) 10.6,60.08 10.96,60.44 arc(11.05,60.47) 11.13,60.44 11.18,60.4 arc(11.21,60.31) 11.18,60.22 10.82,59.86 arc(10.78,59.78) 10.82,59.69 10.86,59.65 arc(10.95,59.61) 11.03,59.65 11.39,60.01 arc(11.48,60.04) 11.56,60.01 11.61,59.96 arc(11.64,59.88) 11.61,59.79 11.25,59.43 arc(11.21,59.35) 11.25,59.26 11.29,59.22 arc(11.38,59.18) 11.46,59.22 11.82,59.58 arc(11.91,59.61) 11.99,59.58 12.04,59.53 arc(12.07,59.45) 12.04,59.36 11.68,59 arc(11.64,58.92) 11.68,58.83 11.72,58.79 arc(11.81,58.75) 11.9,58.79 12.25,59.14 arc(12.34,59.18) 12.43,59.14 12.47,59.1 arc(12.5,59.02) 12.47,58.93 12.11,58.57 arc(12.07,58.49) 12.11,58.4 12.15,58.36 arc(12.24,58.32) 12.33,58.36 12.42,58.45 arc(12.51,58.48) 12.59,58.45 12.79,58.25 12.79,53.28 13.86,52.21 14.71,52.21 v1(16.2,50.72)
DDR_A1: length 106.9
  Top w0.102: v1(15.03,49.19) 15.5,48.72 U14.P7 ; v1(33.57,41) 33.7,41 34.12,41.42 36.42,41.42 U7.K2 ; U15.P7 15.65,31.85 v1(16,32.2)
  In5.Cu w0.1: v1(16,32.2) 16.04,32.24 16.04,33.73 14.84,34.92 14.84,35.86 15.64,36.66 15.64,37.21 17.18,38.75 18.09,38.75 19.04,39.7 19.04,39.93 19.23,40.12 arc(19.32,40.16) 19.4,40.12 19.5,40.03 arc(19.58,39.99) 19.67,40.03 19.71,40.07 arc(19.75,40.16) 19.71,40.24 19.62,40.34 arc(19.58,40.42) 19.62,40.51 19.81,40.7 20.16,40.7 arc(20.25,40.66) 20.29,40.58 20.29,40.45 arc(20.32,40.36) 20.41,40.32 20.47,40.32 arc(20.56,40.36) 20.59,40.45 20.59,40.58 arc(20.63,40.66) 20.71,40.7 20.77,40.7 arc(20.86,40.66) 20.9,40.58 20.9,40.45 arc(20.93,40.36) 21.02,40.32 21.08,40.32 arc(21.17,40.36) 21.2,40.45 21.2,40.58 arc(21.24,40.66) 21.32,40.7 21.38,40.7 arc(21.47,40.66) 21.51,40.58 21.51,40.45 arc(21.54,40.36) 21.63,40.32 21.69,40.32 arc(21.78,40.36) 21.81,40.45 21.81,40.58 arc(21.85,40.66) 21.93,40.7 33.25,40.7 33.55,41 v1(33.57,41)
  In7.Cu w0.1: v1(15.03,49.19) 15.03,48.92 arc(14.99,48.83) 14.91,48.79 14.71,48.79 arc(14.63,48.76) 14.59,48.67 14.59,48.61 arc(14.63,48.52) 14.71,48.49 15.35,48.49 arc(15.43,48.45) 15.47,48.37 15.47,48.31 arc(15.43,48.22) 15.35,48.18 15.15,48.18 arc(15.07,48.15) 15.03,48.06 15.03,47.75 14.69,47.41 14.03,47.41 13.59,47.85 13.44,47.85 13.2,47.61 arc(13.12,47.58) 13.03,47.61 12.92,47.72 arc(12.83,47.76) 12.75,47.72 12.7,47.68 arc(12.67,47.59) 12.7,47.51 13.1,47.11 arc(13.13,47.03) 13.1,46.94 13.05,46.9 arc(12.97,46.86) 12.88,46.9 12.49,47.29 arc(12.4,47.33) 12.32,47.29 12.27,47.25 arc(12.24,47.16) 12.27,47.08 12.67,46.68 arc(12.7,46.6) 12.67,46.51 12.62,46.47 arc(12.54,46.43) 12.45,46.47 12.06,46.86 arc(11.97,46.9) 11.88,46.86 11.84,46.82 arc(11.81,46.73) 11.84,46.64 12.23,46.25 arc(12.27,46.16) 12.23,46.08 12.19,46.04 arc(12.11,46) 12.02,46.04 11.63,46.43 arc(11.54,46.46) 11.45,46.43 11.41,46.39 arc(11.37,46.3) 11.41,46.21 11.8,45.82 arc(11.84,45.73) 11.8,45.65 11.76,45.6 arc(11.67,45.57) 11.59,45.6 11.19,46 arc(11.11,46.03) 11.02,46 10.98,45.95 arc(10.94,45.87) 10.98,45.78 11.37,45.39 arc(11.41,45.3) 11.37,45.22 11.33,45.17 arc(11.24,45.14) 11.16,45.17 10.76,45.57 arc(10.68,45.6) 10.59,45.57 10.55,45.52 arc(10.51,45.44) 10.55,45.35 10.94,44.96 arc(10.98,44.87) 10.94,44.79 10.9,44.74 arc(10.81,44.71) 10.73,44.74 10.33,45.14 arc(10.25,45.17) 10.16,45.14 10.12,45.09 arc(10.08,45.01) 10.12,44.92 10.51,44.53 arc(10.55,44.44) 10.51,44.35 10.47,44.31 arc(10.38,44.28) 10.29,44.31 9.9,44.7 arc(9.82,44.74) 9.73,44.7 9.69,44.66 arc(9.65,44.58) 9.69,44.49 10.08,44.1 arc(10.11,44.01) 10.08,43.92 10.04,43.88 arc(9.95,43.84) 9.86,43.88 9.47,44.27 arc(9.38,44.31) 9.3,44.27 9.25,44.23 arc(9.22,44.14) 9.25,44.06 9.37,43.95 arc(9.4,43.86) 9.37,43.78 9.06,43.47 9.06,42.1 9.81,41.35 9.81,41.29 arc(9.85,41.2) 9.93,41.17 9.95,41.17 arc(10.03,41.13) 10.07,41.05 10.07,40.99 arc(10.03,40.9) 9.95,40.86 9.93,40.86 arc(9.85,40.83) 9.81,40.74 9.81,40.68 arc(9.85,40.59) 9.93,40.56 9.95,40.56 arc(10.03,40.52) 10.07,40.44 10.07,40.38 arc(10.03,40.29) 9.95,40.25 9.93,40.25 arc(9.85,40.22) 9.81,40.13 9.81,40.07 arc(9.85,39.98) 9.93,39.95 9.95,39.95 arc(10.03,39.91) 10.07,39.83 10.07,39.77 arc(10.03,39.68) 9.95,39.64 9.93,39.64 arc(9.85,39.61) 9.81,39.52 9.81,39.46 arc(9.85,39.37) 9.93,39.34 9.95,39.34 arc(10.03,39.3) 10.07,39.22 10.07,39.16 arc(10.03,39.07) 9.95,39.03 9.93,39.03 arc(9.85,39) 9.81,38.91 9.81,38.85 arc(9.85,38.77) 9.93,38.73 9.95,38.73 arc(10.03,38.69) 10.07,38.61 10.07,38.55 arc(10.03,38.46) 9.95,38.42 9.93,38.42 arc(9.85,38.39) 9.81,38.3 9.81,38.24 arc(9.85,38.16) 9.93,38.12 9.95,38.12 arc(10.03,38.08) 10.07,38 10.07,37.94 arc(10.03,37.85) 9.95,37.82 9.93,37.82 arc(9.85,37.78) 9.81,37.69 9.81,37.63 arc(9.85,37.55) 9.93,37.51 9.95,37.51 arc(10.03,37.47) 10.07,37.39 10.07,37.33 arc(10.03,37.24) 9.95,37.21 9.93,37.21 arc(9.85,37.17) 9.81,37.08 9.81,37.02 arc(9.85,36.94) 9.93,36.9 9.95,36.9 arc(10.03,36.87) 10.07,36.78 10.07,36.72 arc(10.03,36.63) 9.95,36.6 9.93,36.6 arc(9.85,36.56) 9.81,36.47 9.81,36.41 arc(9.85,36.33) 9.93,36.29 9.95,36.29 arc(10.03,36.26) 10.07,36.17 10.07,36.11 arc(10.03,36.02) 9.95,35.99 9.93,35.99 arc(9.85,35.95) 9.81,35.86 9.81,35.64 11.09,34.36 12.77,34.36 13,34.13 14.07,34.13 v1(16,32.2)